# Altium PCB FPV0-3.PcbDoc (part 4 of 6)
Units mm, origin at the board's own origin, x right, y up, seen from the top; angles counter-clockwise.
Board outline 81.28 x 53.34 mm, 4 copper layers (Top Layer, GND Plane 1, 3v3 Plane 2, Bottom Layer); 180 components, 250 nets, 840 pads, 218 vias.
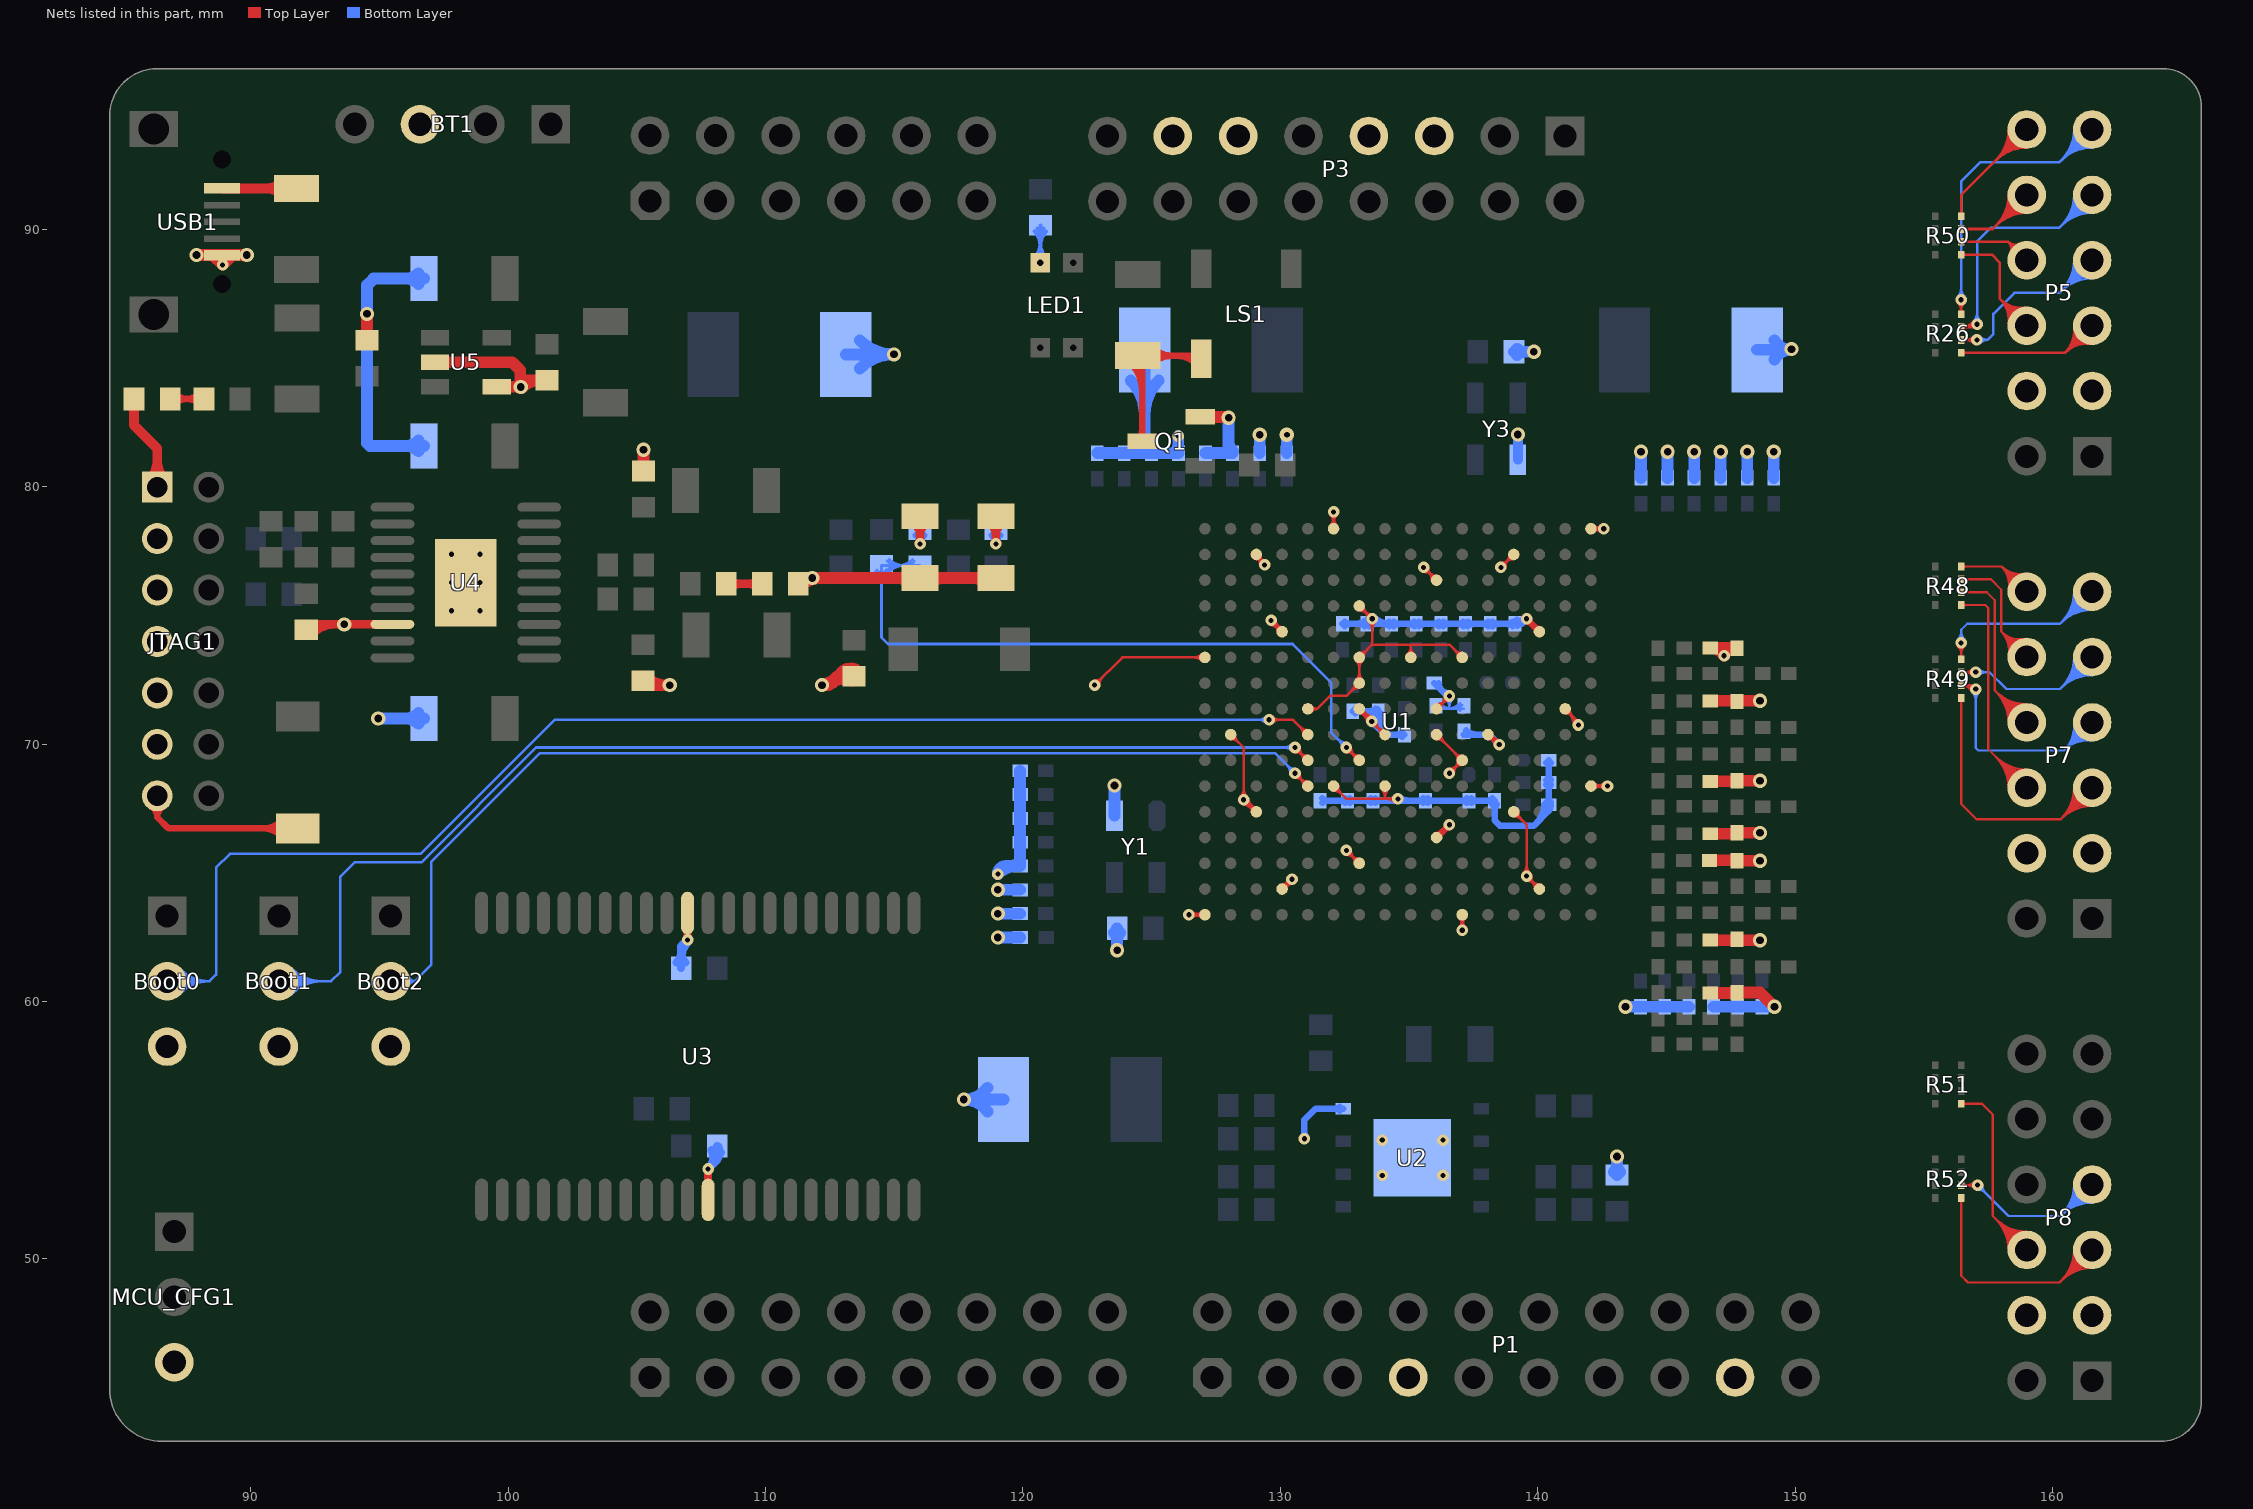
[diagram p6: the nets of this part, all layers, seen from the top]

## Via types
v1: diameter 0.45, hole 0.2, Top Layer to Bottom Layer, tented both sides, 151 vias
v2: diameter 0.55, hole 0.3, Top Layer to Bottom Layer, tented both sides, 55 vias
v3: diameter 0.45, hole 0.2, Top Layer to Bottom Layer, 6 vias
v4: diameter 0.666, hole 0.4, Top Layer to Bottom Layer, tented both sides, 4 vias
v5: diameter 0.55, hole 0.23, Top Layer to Bottom Layer, tented both sides, 1 vias
v6: diameter 0.513, hole 0.3, Top Layer to Bottom Layer, tented both sides, 1 vias

## Nets (pads, with @x,y where several pads share a name; then routed paths per layer and width w, separated by ;. In a path a pad name is that pad's centre, name@x,y a point inside that pad or via, vN(x,y) a via of type N, cw(c..) or ccw(c..) an arc to the next point about the centre after c; other vN are vias at no path point) (continued)
GND: Boot0.3 Boot1.3 Boot2.3 BT1.3 C1.2 C2.1 C3.2 C4.2 C5.2 C6.2 C7.2 C8.1 C9.2 C10.2 C11.2 C12.2 C14.2 C15.2 C16.2 C17.2 C18.2 C19.2 C20.2 C22.2 C23.2 C24.2 C25.2 C26.2 C27.2 C28.1 C29.2 C30.2 C31.2 C32.2 C33.2 C34.2 C35.1 C36.2 C37.2 C38.2 C39.2 C40.2 C41.2 C42.2 C43.2 C44.2 C45.2 C46.2 C47.2 C48.2 C49.2 C50.2 C51.2 C52.2 C53.2 C54.2 C55.2 C56.2 C60.1 C61.2 C62.1 C63.2 C64.2 C65.2 C68.1 D6.1 D7.1 D8.1 FB2.1 JTAG1.1 JTAG1.3 JTAG1.5 JTAG1.7 JTAG1.9 JTAG1.11 JTAG1.13 L1.2 L2.2 MCU_CFG1.3 P1.7 P1.17 P3.5 P3.7 P3.11 P3.13 P5.3 P5.4 P7.3 P7.4 P8.3 P8.4 Q1.2 R4.2 R6.2 R22.2 R23.1 R24.1 R25.1 R27.2 R33.1 R34.1 R38.2 R40.2 R42.1 R46.2 R58.2 R59.1 R60.1 R61.1 R64.1 S5.1 U1.A1 U1.A11 U1.B8 U1.C5 U1.C15 U1.D2 U1.D12 U1.E9 U1.F6 U1.F10 U1.F16 U1.G3 U1.G9 U1.G13 U1.H6 U1.J9 U1.J11 U1.K4 U1.K6 U1.K7 U1.K8 U1.K14 U1.L1 U1.L11 U1.M8 U1.N5 U1.N15 U1.P2 U1.P12 U1.R9 U1.T6 U1.T16 U2.4 U2.9 U3.12 U3.34 U4.8 U4.21 U5.2 U5.4 USB1.5 Y1.2 Y3.2 | length 287.2
  Top Layer w0.089: U1.R9@128.069,70.185 cw(c128.069,69.75) 128.377,70.058 cw(c128.686,70.366) U1.R9@128.25,70.366 ; U1.R9@128.069,70.366 128.575,69.86 v1@128.575,67.86 ; v1@128.447,67.962 ccw(c128.139,68.27) 128.575,68.27 ccw(c129.011,68.27) v1@128.702,67.962
  Top Layer w0.102: v1(122.784,72.288) 123.861,73.366 U1.T6@127.069,73.366 ; v1@122.784,72.463 ccw(c122.784,72.883) 123.081,72.586 ccw(c123.378,72.288) v1@122.958,72.288 ; v1(126.448,63.366) U1.T16@127.069,63.366 ; v1@126.571,63.243 cw(c126.869,62.945) 126.869,63.366 cw(c126.869,63.787) v1@126.571,63.489 ; v1@126.591,63.267 cw(c126.729,63.171) 126.772,63.333 ; v1@126.591,63.465 ccw(c126.729,63.561) 126.772,63.399 ; v1@126.599,63.279 cw(c126.81,63.157) 126.747,63.392 ; v1@126.599,63.453 ccw(c126.81,63.575) 126.747,63.34 ; U1.T16@126.946,63.243 ccw(c126.649,62.945) 126.649,63.366 ccw(c126.649,63.787) U1.T16@126.946,63.489 ; U1.T6@126.946,73.243 ccw(c126.649,72.945) 126.649,73.366 ccw(c126.649,73.787) U1.T6@126.946,73.489 ; v1@128.555,67.661 cw(c128.503,67.2) U1.P12@128.905,67.432 ; v1@128.567,67.762 cw(c128.531,67.449) 128.805,67.607 ; v1@128.575,67.66 cw(c128.575,67.177) U1.P12@128.916,67.519 ; v1@128.575,67.86 U1.P12@129.069,67.366 ; v1@128.62,67.666 cw(c128.685,67.424) 128.81,67.641 ; v1@128.626,67.668 cw(c128.69,67.464) 128.797,67.649 cw(c128.856,67.752) v1@128.742,67.786 ; v1@128.641,67.674 cw(c128.689,67.559) 128.796,67.621 ; v1@128.646,67.85 ccw(c128.936,67.911) 128.788,67.654 ; v1@128.745,67.871 ccw(c129.236,67.975) U1.P12@128.985,67.54 ; v1@128.749,67.834 ccw(c129.107,67.834) 128.854,67.581 ; U1.P12@128.895,67.366 ccw(c128.474,67.366) 128.772,67.663 ccw(c129.069,67.961) U1.P12@129.069,67.54 ; U1.P2@129.069,77.192 cw(c129.069,76.978) 129.22,77.129 ; U1.P2@129.069,77.366 129.069,77.28 v1(129.388,76.962) cw(c129.74,77.315) U1.P2@129.243,77.353 ; U1.P2@129.094,77.202 cw(c128.973,76.993) v1@129.214,76.975 ; U1.P2@129.135,77.286 ccw(c129.393,77.435) v1@129.39,77.136 ; U1.P2@129.142,77.36 ccw(c129.45,77.337) v1@129.231,77.118 ; 129.182,77.151 ccw(c129.288,77.335) v1@129.343,77.13 ; 129.197,77.178 cw(c129.002,77.065) v1@129.219,77.007 ; v1@129.213,76.962 ccw(c128.793,76.962) 129.09,77.259 ccw(c129.388,77.557) v1@129.388,77.136 ; 129.224,77.131 ccw(c129.391,77.227) v1@129.388,77.035 ; v1@129.228,77.032 ccw(c129.144,77.068) 129.19,77.147 ccw(c129.285,77.311) v1@129.338,77.129 ; v1@129.25,77.069 ccw(c129.168,77.133) 129.258,77.186 ccw(c129.349,77.238) v1@129.363,77.135 ; v1@129.623,74.63 cw(c129.583,74.274) U1.N5@129.893,74.453 ; v1@129.634,74.731 cw(c129.611,74.522) 129.793,74.627 ; v1@129.642,74.629 cw(c129.642,74.232) U1.N5@129.922,74.513 ; v1@129.642,74.778 v1@129.642,74.793 ; v1(129.642,74.803) v1@129.642,74.793 ; v1@129.687,74.635 cw(c129.746,74.413) 129.861,74.612 ; v1@129.714,74.808 ccw(c129.932,74.823) 129.823,74.634 ; v1@129.771,74.664 ccw(c130.069,74.962) U1.N5@130.069,74.54 ; v1@129.772,74.663 cw(c129.475,74.366) U1.N5@129.895,74.366 ; v1@129.81,74.758 ccw(c130.075,74.687) 129.837,74.55 ; v1@129.816,74.803 ccw(c130.26,74.803) U1.N5@129.946,74.489 ; v1@129.815,74.815 ccw(c130.162,74.839) U1.N5@129.988,74.538 ; U1.N5@130.069,74.366 v1@129.642,74.793 ; U1.N15@130.069,64.366 130.454,64.751 v1(130.454,64.745) ; U1.N15@130.069,64.54 ccw(c130.069,64.961) 130.367,64.663 ccw(c130.664,64.366) U1.N15@130.243,64.366 ; U1.N15@130.146,64.443 cw(c130.454,64.134) v1@130.454,64.57 ; U1.N15@130.162,64.458 ccw(c129.876,64.745) v1@130.28,64.745 ; U1.N15@130.248,64.457 cw(c130.444,64.344) v1@130.45,64.57 ; U1.N15@130.256,64.472 ccw(c129.997,64.622) v1@130.286,64.7 ; v1@130.28,64.746 cw(c130.049,64.747) 130.165,64.547 cw(c130.321,64.276) v1@130.407,64.577 ; U1.M8@131.069,71.366 131.428,71.366 ; U1.M8@131.206,71.258 cw(c131.428,71.083) 131.428,71.366 ; U1.M8@131.206,71.474 ccw(c131.428,71.649) 131.428,71.366 ; U1.L1@131.946,78.489 ccw(c131.649,78.787) 132.069,78.787 ccw(c132.49,78.787) U1.L1@132.192,78.489 ; v1@131.946,78.896 cw(c131.649,78.599) 132.069,78.599 cw(c132.49,78.599) v1@132.192,78.896 ; U1.L11@132.069,68.192 cw(c132.069,67.771) 132.367,68.069 cw(c132.664,68.366) U1.L11@132.243,68.366 ; U1.L11@132.069,68.366 132.566,67.869 v1@134.566,67.869 ; U1.L1@132.069,78.366 v1(132.069,79.019) ; v1@132.569,65.691 cw(c132.569,65.269) 132.868,65.568 ; v1@132.57,65.866 U1.K14@133.069,65.366 ; v1@132.743,65.866 ccw(c133.162,65.866) 132.866,65.57 ; U1.K14@132.895,65.366 ccw(c132.474,65.366) 132.772,65.663 ccw(c133.069,65.961) U1.K14@133.069,65.54 ; U1.K7@132.895,72.366 cw(c132.474,72.366) 132.772,72.069 cw(c133.069,71.771) U1.K7@133.069,72.192 ; U1.K7@132.946,72.489 ccw(c132.649,72.787) 133.069,72.787 ccw(c133.49,72.787) U1.K7@133.192,72.489 ; U1.K6@132.946,73.243 cw(c132.649,72.945) 133.069,72.945 cw(c133.49,72.945) U1.K6@133.192,73.243 ; U1.K8@133.069,71.192 cw(c133.069,70.771) 133.367,71.069 ; U1.K8@133.069,71.366 v1(133.553,70.882) U1.J9@134.069,70.366 ; U1.K6@133.069,73.54 ccw(c133.069,73.961) 133.367,73.663 ccw(c133.664,73.366) U1.K6@133.243,73.366 ; U1.K4@133.069,75.192 cw(c133.069,74.772) 133.366,75.069 cw(c133.664,75.366) U1.K4@133.243,75.366 ; U1.K4@133.069,75.366 v1(133.569,74.866) 133.569,73.866 133.566,73.863 ; U1.K8@133.144,71.197 cw(c132.9,70.775) v1@133.381,70.854 ; U1.K8@133.238,71.291 ccw(c133.66,71.535) v1@133.581,71.054 ; U1.K8@133.243,71.366 ccw(c133.664,71.366) 133.367,71.069 ; 133.33,71.09 cw(c133.174,70.82) v1@133.482,70.87 ; 133.332,71.088 cw(c133.27,70.979) v1@133.388,70.939 ; 133.345,71.106 ccw(c133.615,71.261) v1@133.565,70.954 ; 133.347,71.103 ccw(c133.456,71.166) v1@133.497,71.047 ; v1@133.379,70.882 ccw(c132.958,70.882) 133.256,71.179 ccw(c133.553,71.477) v1@133.553,71.056 ; v1@133.395,74.866 ccw(c132.974,74.866) 133.272,75.163 ccw(c133.569,75.461) v1@133.569,75.04 ; v1@133.446,74.743 cw(c133.148,74.445) 133.569,74.445 cw(c133.99,74.445) v1@133.692,74.743 ; v1@133.553,70.708 cw(c133.553,70.287) 133.851,70.585 cw(c134.148,70.882) v1@133.727,70.882 ; U1.J9@133.895,70.366 ccw(c133.474,70.366) 133.772,70.663 ccw(c134.069,70.961) U1.J9@134.069,70.54 ; U1.J11@133.946,68.243 cw(c133.649,67.945) 134.069,67.945 cw(c134.49,67.945) U1.J11@134.192,68.243 ; 134.069,67.886 U1.J11@134.069,68.366 ; 134.142,67.869 cw(c134.142,67.439) v1@134.446,67.743 ; 134.155,67.869 ccw(c134.155,68.28) v1@134.446,67.989 ; U1.H6@134.946,73.489 ccw(c134.649,73.787) 135.069,73.787 ccw(c135.49,73.787) U1.H6@135.192,73.489 ; U1.H6@135.069,73.366 135.069,73.863 ; v1@135.569,76.692 cw(c135.569,76.271) 135.866,76.569 cw(c136.164,76.866) v1@135.743,76.866 ; v1(135.569,76.866) U1.G3@136.069,76.366 ; U1.G3@135.895,76.366 ccw(c135.475,76.366) 135.772,76.663 ccw(c136.069,76.961) U1.G3@136.069,76.54 ; U1.G9@136.069,70.192 cw(c136.069,69.771) 136.367,70.069 cw(c136.664,70.366) U1.G9@136.243,70.366 ; U1.G9@136.069,70.366 U1.F10@137.069,69.366 ; v1(136.569,68.866) U1.F10@137.069,69.366 ; v1@136.569,69.04 ccw(c136.569,69.461) 136.866,69.163 ccw(c137.164,68.866) v1@136.743,68.866 ; U1.F6@136.895,73.366 ccw(c136.474,73.366) 136.772,73.663 ccw(c137.069,73.961) U1.F6@137.069,73.54 ; v1@136.946,62.887 ccw(c136.649,63.184) 137.069,63.184 ccw(c137.49,63.184) v1@137.192,62.887 ; U1.F16@136.946,63.243 cw(c136.649,62.945) 137.069,62.945 cw(c137.49,62.945) U1.F16@137.192,63.243 ; v1@136.971,62.907 ccw(c136.883,63.036) 137.034,63.077 ; v1@136.982,62.914 ccw(c136.852,63.139) 137.103,63.072 ; 137.035,63.072 ccw(c137.286,63.139) v1@137.156,62.914 ; v1(137.069,62.763) U1.F16@137.069,63.366 ; U1.F10@137.069,69.192 ccw(c137.069,68.771) 136.771,69.068 ccw(c136.475,69.366) 136.895,69.366 ccw(c136.474,69.366) 136.772,69.663 ccw(c137.069,69.961) U1.F10@137.069,69.54 ; U1.F6@137.069,73.366 136.572,73.863 133.566,73.863 ; 137.104,63.077 ccw(c137.255,63.036) v1@137.167,62.907 ; U1.E9@138.069,70.192 cw(c138.069,69.655) v1@138.449,70.035 ; U1.E9@138.069,70.293 cw(c138.069,70.002) 138.275,70.208 ; U1.E9@138.069,70.366 138.117,70.366 v1(138.506,69.977) ; U1.E9@138.235,70.319 ccw(c138.527,70.487) v1@138.513,70.151 ; U1.E9@138.243,70.366 ccw(c138.548,70.366) 138.333,70.151 ; 138.314,70.182 ccw(c138.403,70.233) v1@138.441,70.139 ; 138.328,70.159 ccw(c138.518,70.269) v1@138.509,70.05 ; v1@138.332,69.964 ccw(c138.062,69.945) 138.197,70.18 ccw(c138.371,70.479) v1@138.461,70.145 ; v1@138.332,69.977 ccw(c137.911,69.977) 138.209,70.274 ccw(c138.506,70.572) v1@138.506,70.151 ; v1(138.569,76.866) U1.D2@139.069,77.366 ; v1@138.569,77.04 ccw(c138.569,77.46) 138.866,77.163 ccw(c139.164,76.866) v1@138.743,76.866 ; U1.D2@138.895,77.366 cw(c138.474,77.366) 138.772,77.069 cw(c139.069,76.771) U1.D2@139.069,77.192 ; U1.D12@139.069,67.192 cw(c139.069,66.771) 139.367,67.069 cw(c139.664,67.366) U1.D12@139.243,67.366 ; U1.D12@139.069,67.366 139.569,66.866 v1(139.569,64.866) U1.C15@140.069,64.366 ; v1@139.446,64.989 ccw(c139.149,65.287) 139.569,65.287 ccw(c139.99,65.287) v1@139.692,64.989 ; v1@139.569,64.692 cw(c139.569,64.271) 139.867,64.569 cw(c140.164,64.866) v1@139.743,64.866 ; U1.C15@139.895,64.366 ccw(c139.474,64.366) 139.772,64.663 ccw(c140.069,64.961) U1.C15@140.069,64.54 ; U1.B8@141.069,71.192 cw(c141.069,70.771) 141.367,71.069 cw(c141.664,71.366) U1.B8@141.243,71.366 ; U1.B8@141.069,71.366 v1@141.58,70.856 ; U1.B8@141.2,71.235 cw(c140.703,70.739) v1@141.405,70.739 ; 141.373,71.062 cw(c141.05,70.739) v1@141.507,70.739 ; 141.481,70.954 ccw(c141.58,71.052) v1@141.58,70.913 ; U1.A11@142.069,68.366 v1(142.712,68.366) ; U1.A1@142.069,78.366 v1(142.569,78.366) ; U1.A11@142.192,68.243 cw(c142.49,67.945) 142.49,68.366 cw(c142.49,68.787) U1.A11@142.192,68.489 ; U1.A1@142.192,78.243 cw(c142.49,77.945) 142.49,78.366 cw(c142.49,78.787) U1.A1@142.192,78.489 ; 142.376,68.335 cw(c142.422,68.161) v1@142.57,68.265 ; 142.376,68.397 ccw(c142.422,68.571) v1@142.57,68.467 ; v1@142.4,78.325 ccw(c142.283,78.297) 142.314,78.413 ccw(c142.338,78.505) v1@142.42,78.456 ; v1@142.4,78.407 cw(c142.283,78.435) 142.314,78.319 cw(c142.338,78.227) v1@142.42,78.276 ; 142.425,68.349 ccw(c142.367,68.565) v1@142.561,68.453 ; 142.425,68.383 cw(c142.367,68.167) v1@142.561,68.279 ; v1@142.446,78.243 ccw(c142.148,77.945) 142.148,78.366 ccw(c142.148,78.787) v1@142.446,78.489 ; v1@142.589,68.243 ccw(c142.291,67.945) 142.291,68.366 ccw(c142.291,68.787) v1@142.589,68.489 ; 131.428,71.366 131.944,71.882 132.585,71.882 U1.K7@133.069,72.366 U1.K6@133.069,73.366 133.566,73.863 ; 133.366,71.069 ccw(c133.46,71.231) 133.508,71.05 cw(c133.46,71.231) 133.366,71.069 ; 133.366,71.069 cw(c133.204,70.976) 133.385,70.927 ccw(c133.204,70.976) 133.366,71.069 ; v1@128.743,67.789 ccw(c128.869,67.756) 128.756,67.691 cw(c128.869,67.756) v1@128.743,67.789 ; 138.318,70.177 cw(c138.141,70.075) 138.338,70.022 ccw(c138.141,70.075) 138.318,70.177
  Top Layer w0.254: JTAG1.13@86.12,67.577 cw(c85.874,67.158) 86.36,67.158 ; JTAG1.13@86.36,67.985 86.36,67.158 ; JTAG1.13@86.6,67.577 ccw(c86.846,67.158) 86.36,67.158 ; S5.1@91.229,66.402 ccw(c90.464,65.638) 90.464,66.719 ccw(c90.464,67.801) S5.1@91.229,67.036 ; S5.1@91.821,66.719 86.798,66.719 86.36,67.158 ; U1.G13@136.069,66.366 v1(136.569,66.866) ; U1.G13@136.069,66.464 ccw(c136.069,66.701) 136.236,66.533 ccw(c136.404,66.366) U1.G13@136.167,66.366 ; 136.402,66.698 ccw(c136.234,66.866) v1@136.471,66.866 ; 136.402,66.699 cw(c136.569,66.532) v1@136.569,66.768 ; v1@139.569,74.768 cw(c139.569,74.531) 139.736,74.699 cw(c139.904,74.866) v1@139.667,74.866 ; v1(139.569,74.866) U1.C5@140.069,74.366 ; 139.902,74.533 cw(c139.735,74.366) U1.C5@139.971,74.366 ; 139.902,74.533 ccw(c140.069,74.701) U1.C5@140.069,74.464
  Top Layer w0.305: v1@106.966,62.465 U3.34@106.966,63.436 ; U3.12@107.766,52.286 v1(107.766,53.486)
  Top Layer w0.33: R27.2@92.367,74.267 cw(c93.295,73.34) 93.295,74.651 ; R27.2@92.369,74.651 v2(93.624,74.651) U4.8@95.499,74.651
  Top Layer w0.381: R34.1@85.309,83.215 cw(c84.951,82.858) 85.457,82.858 cw(c85.963,82.858) R34.1@85.605,83.215 ; R34.1@85.457,83.414 85.457,82.386 86.36,81.483 JTAG1.1@86.36,79.985 ; JTAG1.1@86.07,80.274 ccw(c85.371,80.973) 86.36,80.973 ccw(c87.349,80.973) JTAG1.1@86.65,80.274
  Top Layer w0.457: v2(87.884,89.002) USB1.5@88.519,89.002 ; USB1.5@88.875,88.992 USB1.5@88.9,88.967 ; v2(89.84,89.002) USB1.5@89.281,89.002 ; C62.1@94.392,85.81 ccw(c94.1,86.102) 94.513,86.102 ccw(c94.927,86.102) C62.1@94.635,85.81 ; C62.1@94.513,85.688 v2(94.513,86.716) ; U5.2@97.149,84.836 100.152,84.836 100.467,84.521 100.467,84.084 100.519,84.136 C63.2@101.498,84.136 ; U5.4@99.549,83.886 v2@100.467,83.886 ; v2@100.515,83.838 cw(c101.235,83.119) C63.2@101.235,84.136 ; C63.2@101.327,84.015 ccw(c101.035,83.722) 101.035,84.136 ccw(c101.035,84.55) C63.2@101.327,84.257 ; C64.2@105.136,80.73 ccw(c104.844,81.022) 105.258,81.022 ccw(c105.671,81.022) C64.2@105.379,80.73 ; C64.2@105.258,80.608 v2(105.258,81.432) ; C65.2@105.396,72.288 v2(106.274,72.288) ; C65.2@105.403,72.573 ccw(c106.091,73.261) v2@106.091,72.288 ; R42.1@111.387,76.154 cw(c112.096,75.445) 112.096,76.448 ; R42.1@111.489,76.448 v2(111.811,76.448) L2.2@116.002,76.448 L1.2@118.948,76.448 ; v2(112.192,72.288) v2@112.446,72.288 ; v2@112.192,72.335 ccw(c112.192,73.06) 112.705,72.547 ; v2@112.204,72.333 ccw(c112.345,72.86) 112.618,72.388 ; 112.938,72.781 cw(c113.302,72.417) R33.1@113.491,72.896 ; R33.1@113.265,72.509 ccw(c112.973,72.216) 112.973,72.63 ccw(c112.973,73.044) R33.1@113.265,72.751 ; R33.1@113.323,72.47 ccw(c113.023,71.711) v2@112.446,72.288 ; R33.1@113.436,72.63 112.787,72.63 v2@112.446,72.288 ; L2.2@115.585,76.256 ccw(c115.122,75.793) 115.122,76.448 ccw(c115.122,77.103) L2.2@115.585,76.64 ; L2.2@116.419,76.256 cw(c116.882,75.793) 116.882,76.448 cw(c116.882,77.103) L2.2@116.419,76.64 ; L1.2@118.531,76.256 ccw(c118.068,75.793) 118.068,76.448 ccw(c118.068,77.103) L1.2@118.531,76.64 ; Q1.2@126.88,82.713 v2@127.955,82.713 ; R46.2@146.677,65.481 R61.1@147.737,65.481 ; R22.2@146.702,60.325 R25.1@147.736,60.325 ; R6.2@146.702,62.378 v2(148.641,62.378) ; R4.2@146.702,66.513 R23.1@147.717,66.513 ; R40.2@146.702,68.549 147.73,68.549 R60.1@147.752,68.571 ; R38.2@146.702,71.679 v2(148.641,71.679) ; v1@147.241,73.433 cw(c147.752,73.154) 147.752,73.736 R58.2@146.702,73.736 cw(c146.702,73.095) v1@147.247,73.433 ; R25.1@147.752,60.341 148.65,60.341 v2(149.2,59.792) ; R61.1@147.752,65.467 v2(148.641,65.467) ; R23.1@147.752,66.548 v2(148.641,66.548) ; R60.1@147.787,68.605 R60.1@147.752,68.571 ; v2(148.641,68.571) R60.1@147.752,68.571 ; USB1.5@88.519,89.002 USB1.5@89.281,89.002 ; USB1.5@88.519,89.002 v1(88.9,88.621) USB1.5@89.281,89.002
  Bottom Layer w0.254: v1@130.868,54.73 ccw(c130.7,54.897) 130.937,54.897 ccw(c131.174,54.897) v1@131.006,54.73 ; v1(130.937,54.661) 130.937,55.397 131.369,55.829 U2.4@132.453,55.829 ; C4.2@131.634,67.714 cw(c131.844,67.504) 131.844,67.801 cw(c131.844,68.098) C4.2@131.634,67.888 ; C4.2@131.643,67.724 cw(c131.801,67.6) 131.801,67.801 ; C4.2@131.643,67.877 ccw(c131.801,68.001) 131.801,67.801 ; U2.4@132.309,55.76 ccw(c132.141,55.593) 132.141,55.829 ccw(c132.141,56.066) U2.4@132.309,55.898 ; C10.2@132.41,74.668 C15.2@133.368,74.668 C9.2@134.326,74.668 C18.2@135.284,74.668 C14.2@136.242,74.668 C22.2@137.2,74.668 C19.2@138.158,74.668 C6.2@139.116,74.668 ; C10.2@132.497,74.581 cw(c132.707,74.371) 132.707,74.668 cw(c132.707,74.965) C10.2@132.497,74.755 ; C20.2@132.526,67.714 ccw(c132.316,67.504) 132.316,67.801 ccw(c132.316,68.098) C20.2@132.526,67.888 ; C20.2@132.7,67.714 cw(c132.91,67.504) 132.91,67.801 cw(c132.91,68.098) C20.2@132.7,67.888 ; C28.1@132.817,71.28 133.553,71.28 ; 132.854,74.668 ccw(c132.854,75.581) C15.2@133.5,74.935 ; C28.1@132.904,71.193 cw(c133.114,70.983) 133.114,71.28 cw(c133.114,71.577) C28.1@132.904,71.367 ; C15.2@133.281,74.581 ccw(c133.071,74.371) 133.071,74.668 ccw(c133.071,74.965) C15.2@133.281,74.755 ; C15.2@133.455,74.581 cw(c133.665,74.371) 133.665,74.668 cw(c133.665,74.965) C15.2@133.455,74.755 ; v1@133.484,70.951 ccw(c133.317,71.119) 133.553,71.119 ccw(c133.79,71.119) v1@133.622,70.951 ; v1@133.488,70.955 ccw(c133.083,71.413) C35.1@133.693,71.376 ; C7.2@133.517,67.714 ccw(c133.307,67.504) 133.307,67.801 ccw(c133.307,68.098) C7.2@133.517,67.888 ; C15.2@133.535,74.633 ccw(c133.468,74.882) v1@133.723,74.841 ; v1@133.538,70.785 cw(c133.473,70.371) 133.832,70.587 ; v1@133.553,70.784 cw(c133.553,70.547) 133.72,70.715 cw(c133.888,70.882) v1@133.651,70.882 ; v1@133.553,70.799 cw(c133.865,70.799) C35.1@133.824,71.109 ; v1@133.553,71.09 cw(c133.826,71.09) C35.1@133.79,71.36 ; C35.1@133.566,71.136 ccw(c133.741,71.089) v1@133.619,70.955 ; v1@133.638,74.935 ccw(c134.284,75.581) C9.2@134.284,74.668 ; C35.1@133.688,71.284 ccw(c134.225,71.043) 133.809,70.627 ; C7.2@133.691,67.714 cw(c133.901,67.504) 133.901,67.801 cw(c133.901,68.098) C7.2@133.691,67.888 ; C35.1@133.72,71.193 ccw(c133.51,70.983) 133.51,71.28 ccw(c133.51,71.577) C35.1@133.72,71.367 ; C35.1@133.807,71.28 133.553,71.28 ; C35.1@133.919,71.18 ccw(c134.585,70.882) 134.069,70.366 ; 134.175,67.801 ccw(c134.175,68.26) v1@134.5,67.935 ; C9.2@134.239,74.581 ccw(c134.029,74.371) 134.029,74.668 ccw(c134.029,74.965) C9.2@134.239,74.755 ; C9.2@134.413,74.581 cw(c134.623,74.371) 134.623,74.668 cw(c134.623,74.965) C9.2@134.413,74.755 ; v1@134.638,67.935 ccw(c134.963,68.26) 134.963,67.801 ; FB2.1@134.736,70.279 ccw(c134.526,70.069) 134.526,70.366 ccw(c134.526,70.663) FB2.1@134.736,70.453 ; FB2.1@134.823,70.366 134.069,70.366 ; C18.2@135.197,74.581 ccw(c134.987,74.371) 134.987,74.668 ccw(c134.987,74.965) C18.2@135.197,74.755 ; C18.2@135.371,74.581 cw(c135.581,74.371) 135.581,74.668 cw(c135.581,74.965) C18.2@135.371,74.755 ; C17.2@135.549,67.714 ccw(c135.339,67.504) 135.339,67.801 ccw(c135.339,68.098) C17.2@135.549,67.888 ; C17.2@135.723,67.714 cw(c135.933,67.504) 135.933,67.801 cw(c135.933,68.098) C17.2@135.723,67.888 ; C14.2@136.155,74.581 ccw(c135.945,74.371) 135.945,74.668 ccw(c135.945,74.965) C14.2@136.155,74.755 ; C14.2@136.329,74.581 cw(c136.539,74.371) 136.539,74.668 cw(c136.539,74.965) C14.2@136.329,74.755 ; C22.2@137.113,74.581 ccw(c136.903,74.371) 136.903,74.668 ccw(c136.903,74.965) C22.2@137.113,74.755 ; C8.1@137.135,70.366 138.117,70.366 v1(138.506,69.977) ; C8.1@137.222,70.53 ccw(c137.617,70.926) 137.617,70.366 ; C23.2@137.251,67.714 ccw(c137.041,67.504) 137.041,67.801 ccw(c137.041,68.098) C23.2@137.251,67.888 ; C22.2@137.287,74.581 cw(c137.497,74.371) 137.497,74.668 cw(c137.497,74.965) C22.2@137.287,74.755 ; C23.2@137.425,67.714 cw(c137.635,67.504) 137.635,67.801 cw(c137.635,68.098) C23.2@137.425,67.888 ; C19.2@138.071,74.581 ccw(c137.861,74.371) 137.861,74.668 ccw(c137.861,74.965) C19.2@138.071,74.755 ; C12.2@138.241,67.664 cw(c138.031,67.454) 138.328,67.454 cw(c138.625,67.454) C12.2@138.415,67.664 ; C12.2@138.241,67.714 ccw(c138.031,67.504) 138.031,67.801 ccw(c138.031,68.098) C12.2@138.241,67.888 ; C19.2@138.245,74.581 cw(c138.455,74.371) 138.455,74.668 cw(c138.455,74.965) C19.2@138.245,74.755 ; v1@138.408,69.977 ccw(c138.172,69.977) 138.339,70.144 ccw(c138.506,70.312) v1@138.506,70.075 ; C6.2@139.029,74.581 ccw(c138.819,74.371) 138.819,74.668 ccw(c138.819,74.965) C6.2@139.029,74.755 ; C6.2@139.181,74.822 ccw(c139.348,75.087) v1(139.569,74.866) 139.371,74.668 ; C6.2@139.212,74.591 cw(c139.371,74.465) 139.371,74.668 ; C6.2@139.212,74.745 ccw(c139.371,74.871) 139.371,74.668 ; v1@139.479,74.905 cw(c139.116,75.065) C6.2@139.116,74.668 ; 139.965,66.94 ccw(c139.265,67.64) C3.2@140.256,67.64 ; C3.2@140.342,67.727 ccw(c140.132,67.937) 140.429,67.937 ccw(c140.726,67.937) C3.2@140.516,67.727 ; C11.2@140.342,68.417 cw(c140.132,68.207) 140.429,68.207 cw(c140.726,68.207) C11.2@140.516,68.417 ; C11.2@140.342,68.591 ccw(c140.132,68.801) 140.429,68.801 ccw(c140.726,68.801) C11.2@140.516,68.591 ; C16.2@140.342,69.28 cw(c140.132,69.07) 140.429,69.07 cw(c140.726,69.07) C16.2@140.516,69.28 ; 140.399,67.373 ccw(c140.132,67.64) C3.2@140.51,67.64 ; C16.2@140.429,69.367 C11.2@140.429,68.504 C3.2@140.429,67.64 140.429,67.403 139.853,66.827 138.532,66.827 138.328,67.031 C12.2@138.328,67.801 C23.2@137.338,67.801 C17.2@135.636,67.801 C7.2@133.604,67.801 C20.2@132.613,67.801 131.801,67.801 ; 133.553,71.28 ccw(c133.553,71.481) 133.711,71.357 cw(c133.553,71.481) 133.553,71.28 ; 133.553,71.28 cw(c133.553,71.08) 133.711,71.204 ccw(c133.553,71.08) 133.553,71.28 ; 133.553,71.28 v1(133.553,70.882) 134.069,70.366 ; C6.2@139.116,74.668 139.371,74.668